# Allegro board STARRYSKY.brd
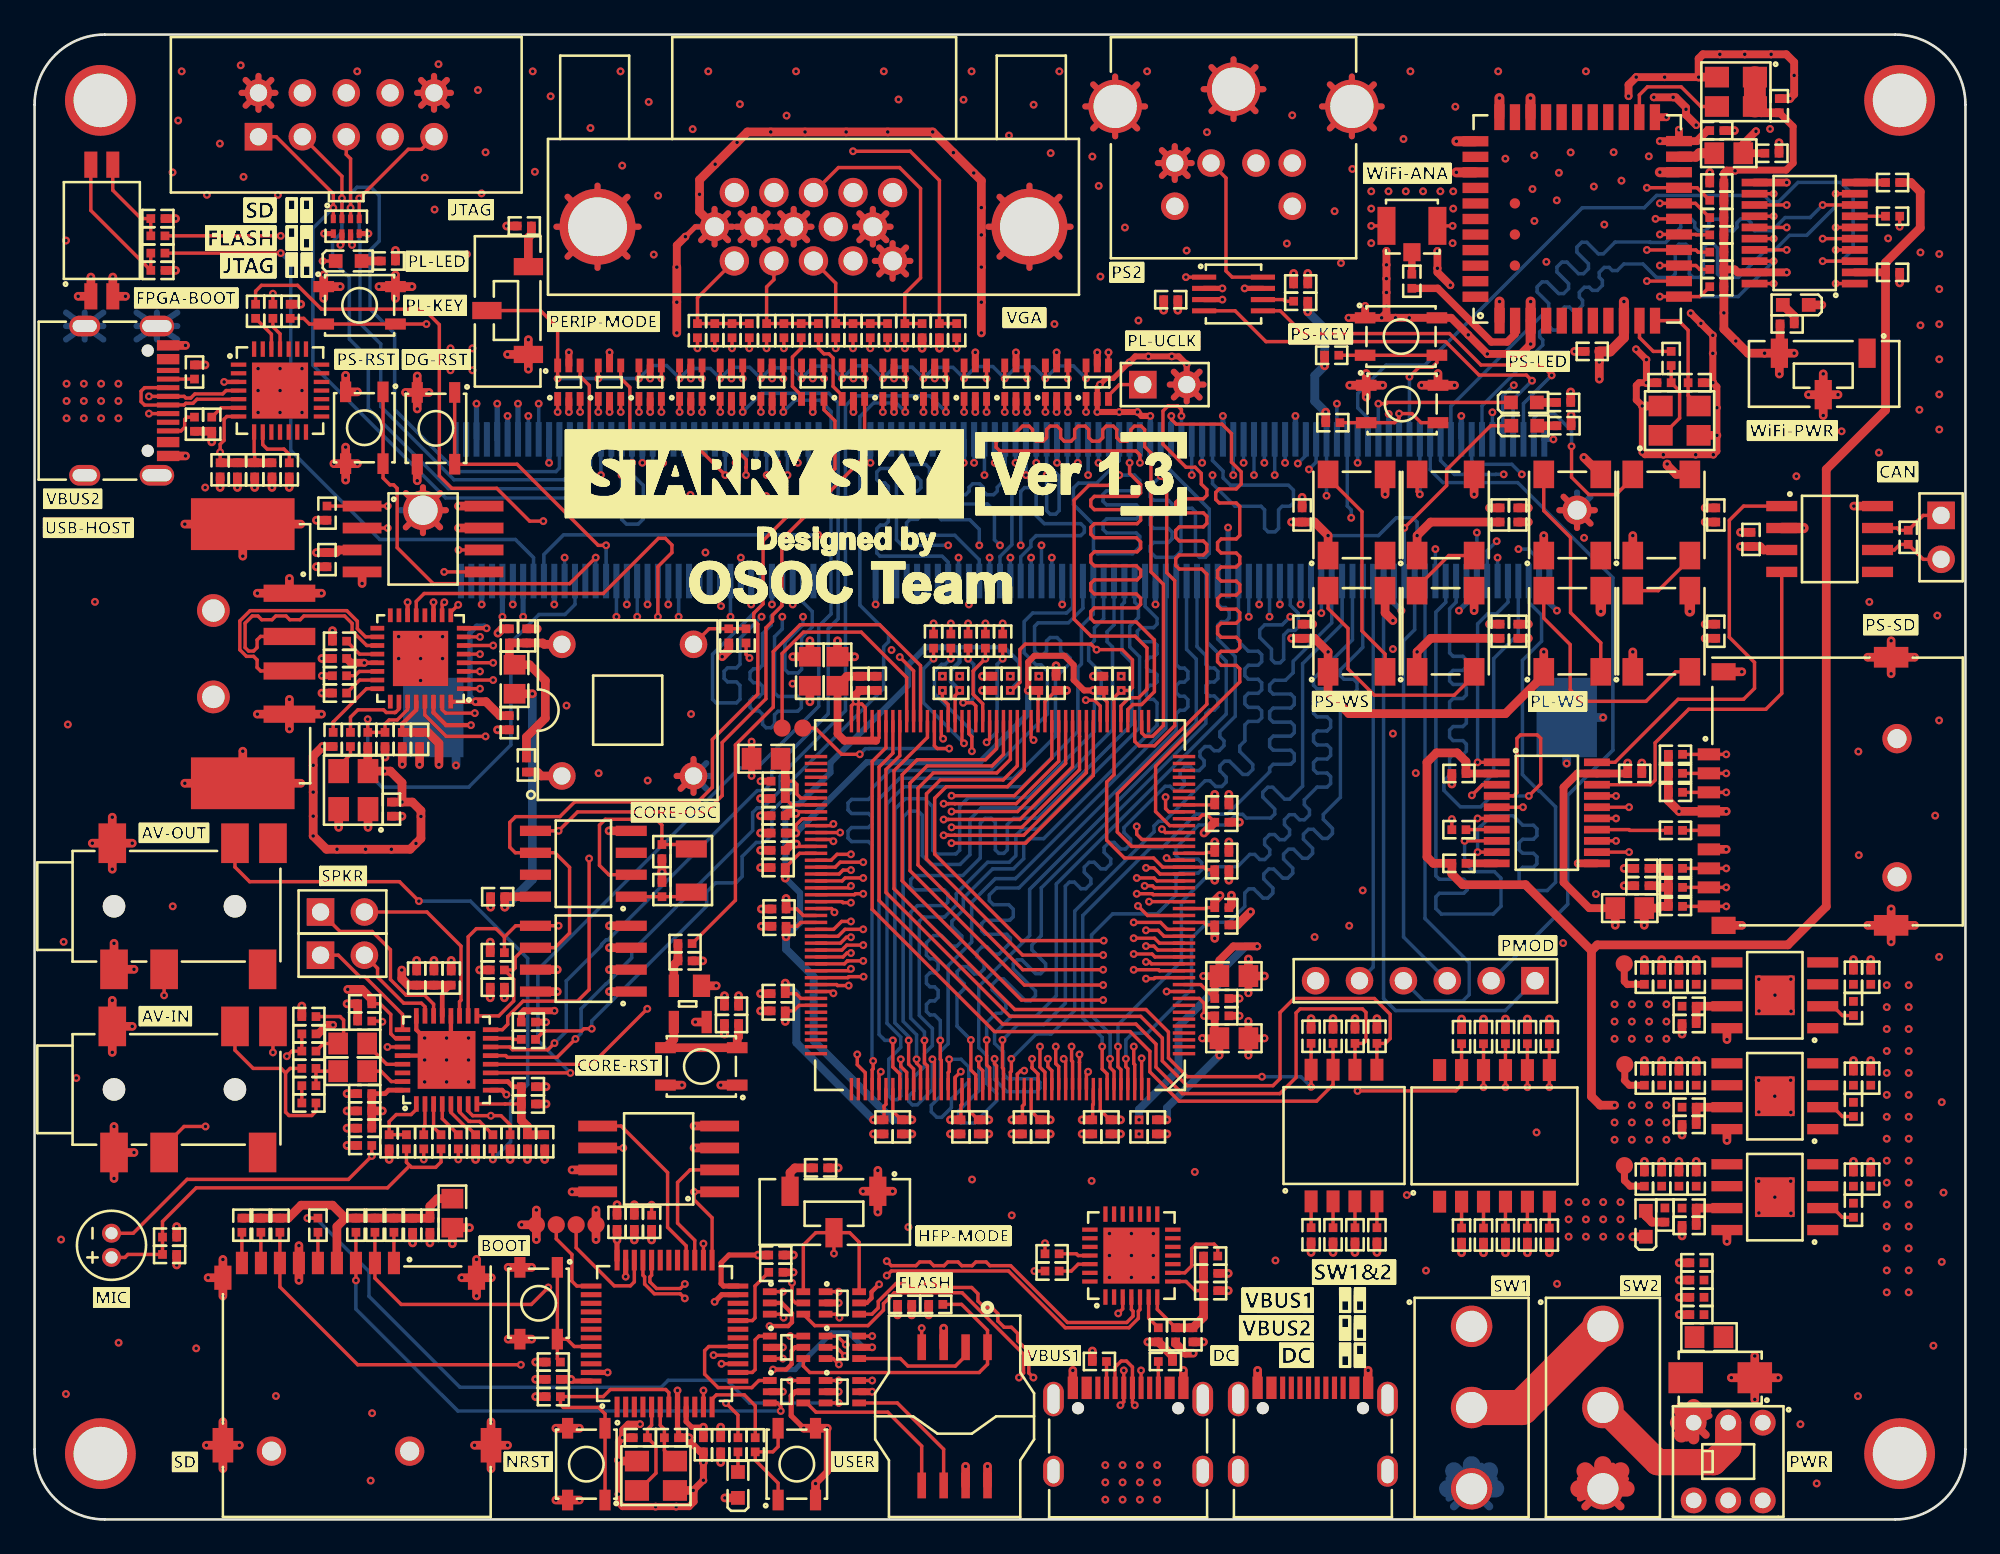
[diagram p0: board, top side]
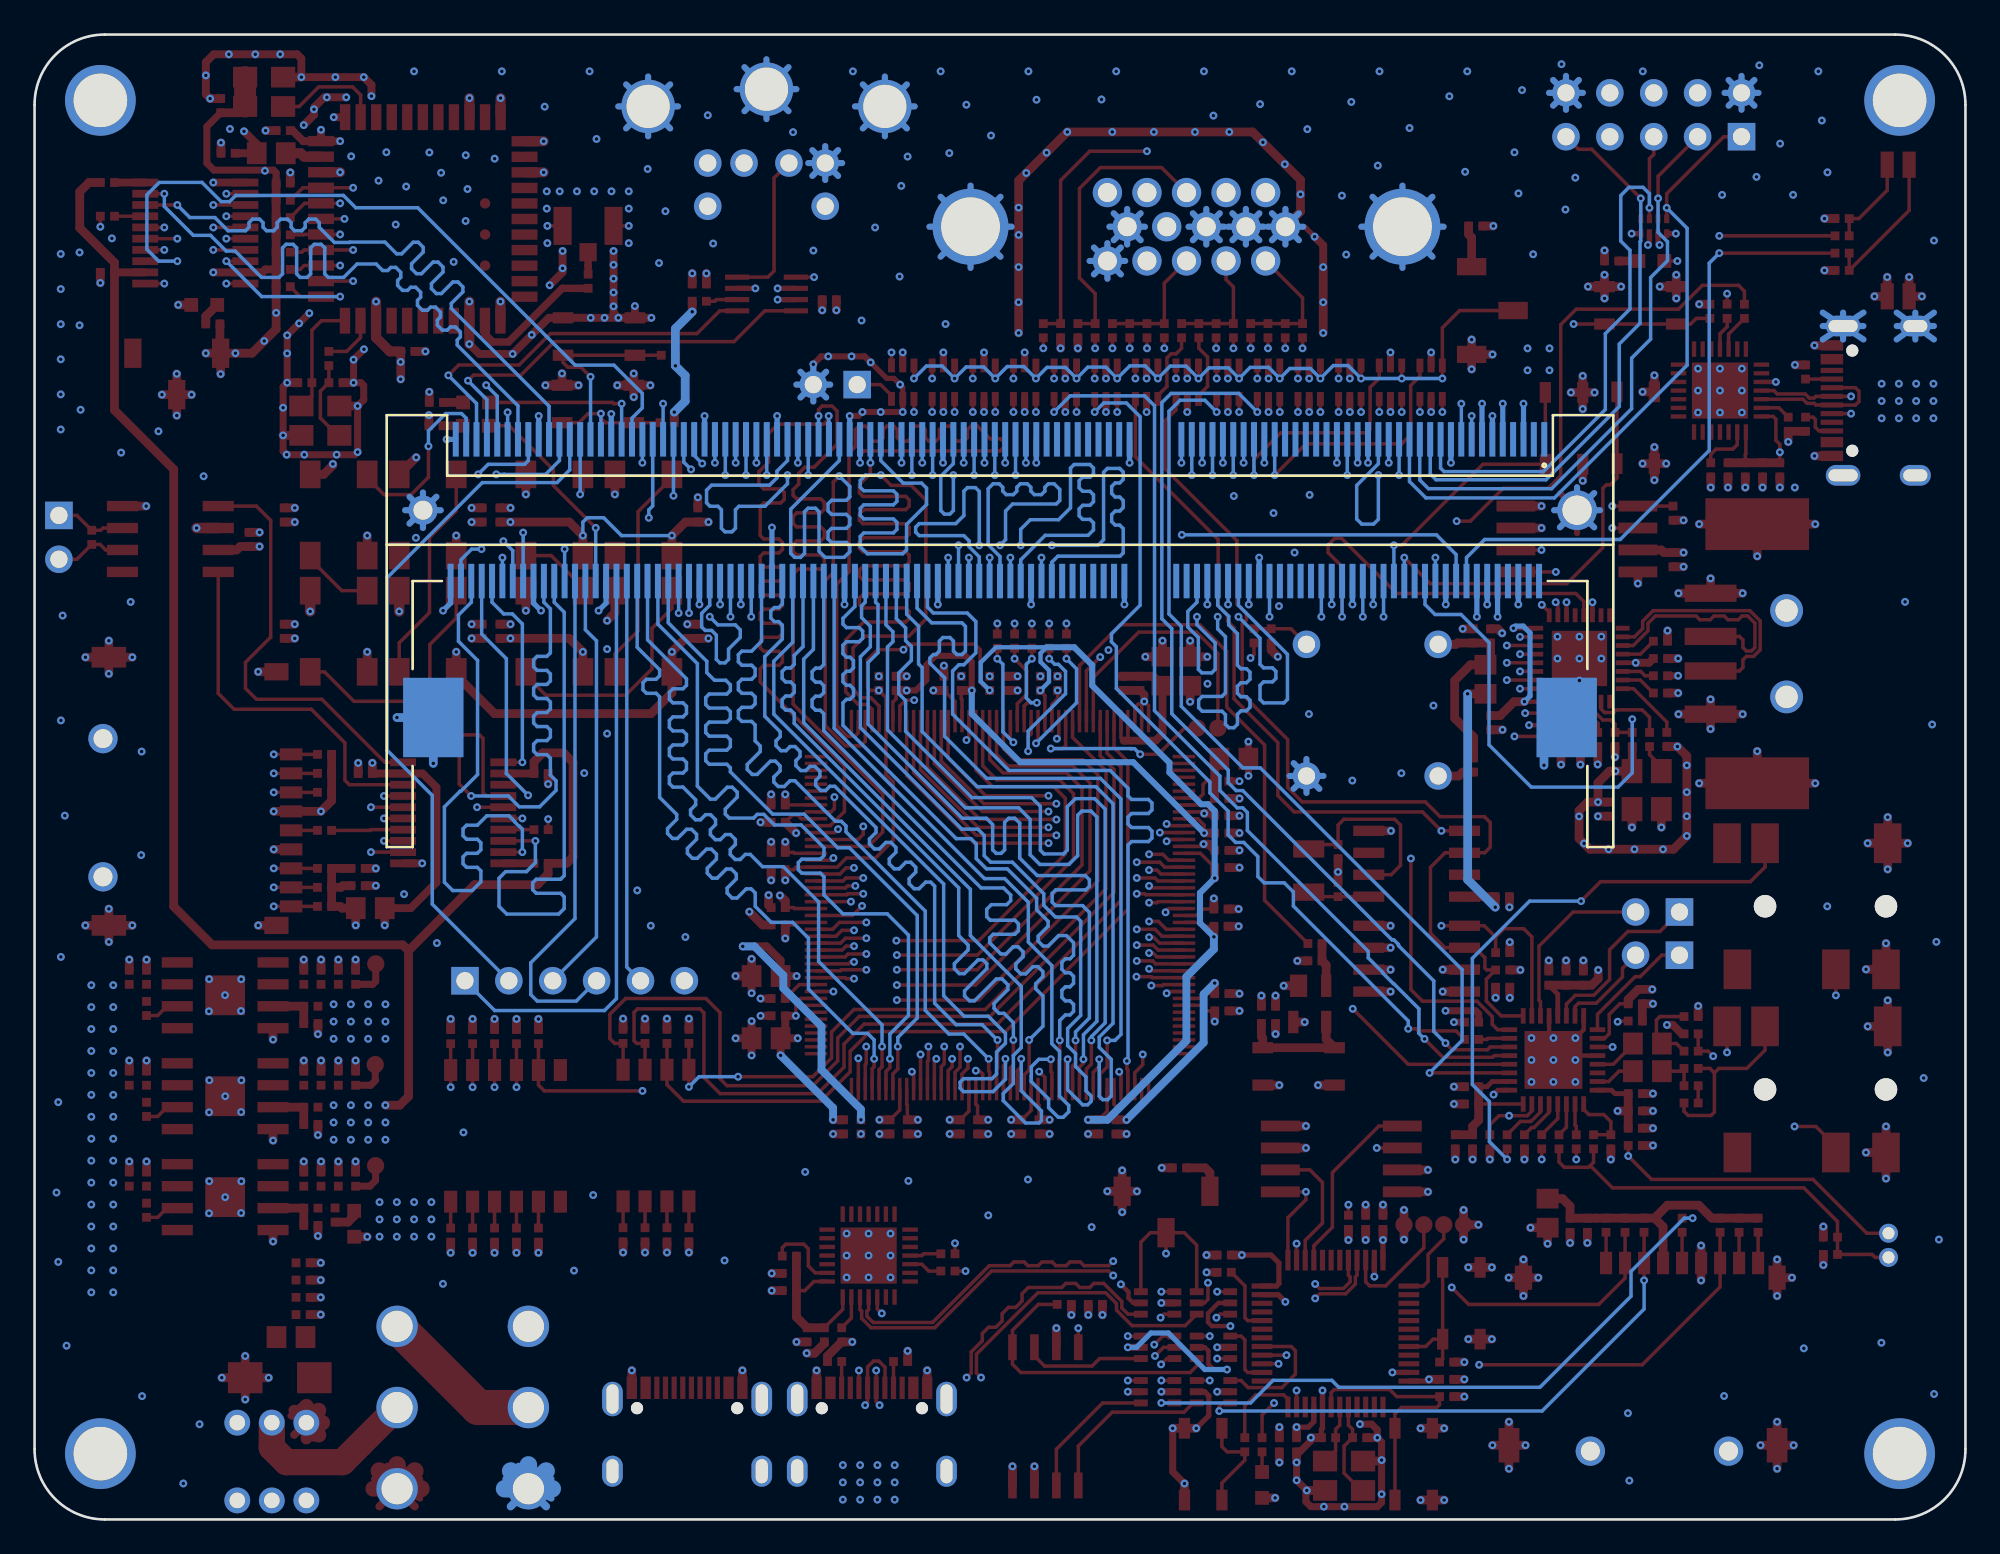
[diagram p1: board, bottom side, seen from below]

Outline 111.76 x 85.95 mm; copper layers: TOP, GND02, ART03, PWR04, GND05, BOTTOM. Coordinates in mm from the lower left corner of the outline.
Outline path: 0,81.89 0,4.06 arc(1.19,1.19) 4.06,0 107.7,0 arc(110.57,1.19) 111.76,4.06 111.76,81.89 arc(110.57,84.76) 107.7,85.95 4.06,85.95 arc(1.19,84.76) 0,81.89

## Design rules (mm)
net group HFP_USB_DIFF: nets HFP_USB_DN HFP_USB_DP
net group MAIN_DIFF: nets MAIN_DN MAIN_DP
net group PS_UART_DIFF: nets PS_UART_DN PS_UART_DP
net group PS_USB_DIFF: nets PS_USB_DN PS_USB_DP
net group YSYX_UART_DIFF: nets YSYX_UART_DN YSYX_UART_DP
net group CHIPLINK_MG: nets IO34_0 IO34_1_N IO34_1_P IO34_3_P IO34_4_N IO34_4_P IO34_5_N IO34_5_P IO34_9_N IO34_9_P IO34_10_N IO34_10_P IO34_11_N IO34_11_P IO34_12_N IO34_13_N IO34_13_P IO34_14_N IO34_14_P IO34_15_N IO34_15_P IO34_16_N IO34_16_P IO34_17_N IO34_17_P IO34_18_N IO34_18_P IO34_19_N IO34_19_P IO34_20_N IO34_20_P IO34_21_N IO34_21_P IO34_22_N IO34_22_P IO34_23_P IO34_24_N IO34_24_P IO34_25 IO35_3_N IO35_3_P IO35_5_N IO35_5_P IO35_6_N IO35_6_P IO35_7_N IO35_7_P IO35_9_N IO35_9_P IO35_10_N IO35_10_P IO35_11_N IO35_11_P IO35_12_N IO35_12_P IO35_14_N IO35_14_P IO35_17_N IO35_17_P IO35_19_N IO35_19_P IO35_20_N IO35_20_P IO35_21_N IO35_21_P IO35_22_N IO35_22_P IO35_23_N IO35_23_P IO35_24_N IO35_24_P
net group FPGA_JTAG_MG: nets FPGA_TCK FPGA_TDI FPGA_TDO FPGA_TMS
net group PL_AUDIO_MG: nets AUD_ADCDAT AUD_ADCLRC AUD_BCLK AUD_DACDAT AUD_DACLRC AUD_MCLK
net group PS_MIO_SD0_MG: nets PS_MIO40 PS_MIO41 PS_MIO42 PS_MIO43 PS_MIO44 PS_MIO45
net group PS_MIO_SD1_MG: nets PS_MIO46 PS_MIO47 PS_MIO48 PS_MIO49 PS_MIO50 PS_MIO51
net group PS_MIO_USB_MG: nets PS_MIO28 PS_MIO29 PS_MIO30 PS_MIO31 PS_MIO32 PS_MIO33 PS_MIO34 PS_MIO35 PS_MIO36 PS_MIO37 PS_MIO38 PS_MIO39
net group PS_SD_MG: nets PS_SD_CLK PS_SD_CMD PS_SD_D0 PS_SD_D1 PS_SD_D2 PS_SD_D3
net group PS_WF_MG: nets PS_WF_CLK PS_WF_CMD PS_WF_D0 PS_WF_D1 PS_WF_D2 PS_WF_D3 PS_WF_REG_ON PS_WF_WAKE

## Placement (name value [footprint] x y rotation side)
C1  0.1uF  [C0402]  93.18 19.7 90 top
C2  0.1uF  [C0402]  94.18 19.7 90 top
C3  10uF  [C0402]  96.18 19.7 90 top
C4  10uF  [C0402]  95.18 19.7 90 top
C5  1uF  [C0402]  105.28 19.7 90 top
C6  10uF  [C0402]  106.28 19.7 90 top
C7  15pF  [C0402]  40.18 51.15 270 top
C8  0.1uF  [C0402]  27.48 51.14 90 top
C9  0.1uF  [C0402]  28.48 51.14 90 top
C10  0.1uF  [C0402]  93.18 25.54 90 top
C11  10uF  [C0402]  96.18 25.54 90 top
C12  10uF  [C0402]  95.18 25.54 90 top
C13  10uF  [C0402]  106.28 25.54 90 top
C14  0.1uF  [C0402]  94.18 25.54 90 top
C15  1uF  [C0402]  105.28 25.54 90 top
C16  0.1uF  [C0402]  94.18 31.38 90 top
C17  0.1uF  [C0402]  93.18 31.38 90 top
C18  10uF  [C0402]  96.18 31.38 90 top
C19  1uF  [C0402]  105.28 31.38 90 top
C20  10uF  [C0402]  106.28 31.38 90 top
C21  10uF  [C0402]  95.18 31.38 90 top
C22  10uF  [C0402]  96.22 11.86 180 top
C23  10uF  [C0402]  96.22 12.86 180 top
C24  0.1uF  [C0402]  96.22 14.86 180 top
C25  0.1uF  [C0402]  96.22 13.86 180 top
C26  0.1uF  [C0402]  56.48 48.4 90 top
C27  0.1uF  [C0402]  62.89 48.4 90 top
C28  0.1uF  [C0402]  68.72 40.36 0 top
C29  0.1uF  [C0402]  64.93 22.72 270 top
C30  0.1uF  [C0402]  62.24 22.72 270 top
C31  0.1uF  [C0402]  53.54 48.4 90 top
C32  0.1uF  [C0402]  43.09 34.34 180 top
C33  0.1uF  [C0402]  50.17 22.72 270 top
C34  0.1uF  [C0402]  68.72 29.15 0 top
C35  0.1uF  [C0402]  54.62 22.72 270 top
C36  0.1uF  [C0402]  68.72 35.41 0 top
C37  0.1uF  [C0402]  59.12 48.4 90 top
C38  1uF  [C0402]  40.34 29.71 0 top
C39  0.1uF  [C0402]  43.04 40.73 180 top
C40  0.1uF  [C0402]  68.72 34.41 0 top
C41  0.1uF  [C0402]  57.18 22.72 270 top
C42  0.1uF  [C0402]  53.62 22.72 270 top
C43  0.1uF  [C0402]  43.04 39.73 180 top
C44  0.1uF  [C0402]  49.17 22.72 270 top
C45  0.1uF  [C0402]  68.72 38.61 0 top
C46  0.1uF  [C0402]  68.72 41.36 0 top
C47  0.1uF  [C0402]  43.04 38.73 180 top
C48  0.1uF  [C0402]  63.93 22.72 270 top
C49  0.1uF  [C0402]  43.04 30.44 180 top
C50  0.1uF  [C0402]  61.24 22.72 270 top
C51  0.1uF  [C0402]  43.04 29.44 180 top
C52  0.1uF  [C0402]  58.18 22.72 270 top
C53  0.1uF  [C0402]  68.72 37.61 0 top
C54  0.1uF  [C0402]  43.04 37.73 180 top
C55  0.1uF  [C0402]  55.48 48.4 90 top
C56  0.1uF  [C0402]  58.12 48.4 90 top
C57  0.1uF  [C0402]  61.89 48.4 90 top
C58  0.1uF  [C0402]  68.72 30.15 0 top
C59  0.1uF  [C0402]  52.54 48.4 90 top
C60  0.1uF  [C0402]  43.09 35.34 180 top
C61  0.1uF  [C0402]  43.04 42.73 180 top
C62  0.1uF  [C0402]  43.04 41.73 180 top
C63  0.1uF  [C0402]  47.78 48.4 270 top
C64  0.1uF  [C0402]  48.78 48.4 270 top
C65  0.1uF  [C0402]  67.05 10.69 270 top
C66  1uF  [C0402]  66.05 10.69 270 top
C67  0.1uF  [C0402]  65.05 10.69 270 top
C68  0.1uF  [C0402]  21.88 17.03 270 top
C69  10uF  [C0402]  22.88 17.03 270 top
C70  0.1uF  [C0402]  30.03 8.11 0 top
C71  0.1uF  [C0402]  30.03 7.11 180 top
C72  10pF  [C0402]  35.06 4.73 180 top
C73  0.1uF  [C0402]  33.71 17.2 270 top
C74  10pF  [C0402]  36.86 4.73 0 top
C75  0.1uF  [C0402]  39.71 4.32 90 top
C76  0.1uF  [C0402]  38.71 4.32 270 top
C77  0.1uF  [C0402]  50.36 12.45 0 top
C78  0.1uF  [C0402]  34.71 17.2 90 top
C79  0.1uF  [C0402]  42.9 15.31 180 top
C80  0.1uF  [C0402]  99.35 56.73 270 top
C81  0.1uF  [C0402]  93.03 37.69 180 top
C82  10uF  [C0402]  93.03 36.69 180 top
C83  0.1uF  [C0402]  82.44 43.18 0 top
C84  0.1uF  [C0402]  92.62 43.18 0 top
C85  0.1uF  [C0402]  12.74 60.76 270 top
C86  1uF  [C0402]  13.74 60.76 270 top
C87  0.1uF  [C0402]  19.28 45.15 90 top
C88  0.1uF  [C0402]  10.26 63.4 270 top
C89  0.1uF  [C0402]  20.66 41.12 90 top
C90  0.1uF  [C0402]  21.29 45.15 270 top
C91  0.1uF  [C0402]  22.29 45.15 270 top
C92  0.1uF  [C0402]  27.48 46.12 270 top
C93  10uF  [C0402]  17.65 50.84 180 top
C94  0.1uF  [C0402]  17.65 49.84 180 top
C95  0.1uF  [C0402]  107.54 72.19 180 top
C96  0.1uF  [C0402]  97.37 77.36 180 top
C97  10pF  [C0402]  79.72 71.67 270 top
C98  22pF  [C0402]  94.32 65.8 180 top
C99  10uF  [C0402]  90.16 67.61 180 top
C100  0.1uF  [C0402]  100.99 81.84 90 top
C101  22pF  [C0402]  96.12 65.8 0 top
C102  0.1uF  [C0402]  84.83 51.41 90 top
C103  0.1uF  [C0402]  84.83 58.14 90 top
C104  0.1uF  [C0402]  73.37 51.41 90 top
C105  0.1uF  [C0402]  73.37 58.14 90 top
C106  4.7uF  [C0402]  97.37 80.39 0 top
C107  10uF  [C0402]  100.56 79.08 0 top
C108  0.1uF  [C0402]  26.78 30.81 180 top
C109  0.1uF  [C0402]  65.76 70.61 0 top
C110  0.1uF  [C0402]  73.28 71.52 0 top
C111  15pF  [C0402]  36.32 36.46 90 top
C112  0.1uF  [C0402]  26.81 36.05 180 top
C113  15pF  [C0402]  36.31 38.66 270 top
C114  0.1uF  [C0402]  16.93 55.56 270 top
C115  100pF  [C0402]  52.37 68.81 270 top
C116  47pF  [C0402]  51.37 68.81 270 top
C117  0.1uF  [C0402]  97.31 51.41 90 top
C118  0.1uF  [C0402]  85.85 51.41 90 top
C119  0.1uF  [C0402]  97.31 58.14 90 top
C120  0.1uF  [C0402]  85.85 58.14 90 top
C121  10uF  [C0402]  19.11 24.65 180 top
C122  0.1uF  [C0402]  19.11 23.65 180 top
C123  10uF  [C0402]  19.11 28.85 0 top
C124  10uF  [C0402]  20.52 21.86 90 top
C125  220pF  [C0402]  7.82 16.34 180 top
C126  10uF  [C0402]  28.59 24.05 0 top
C127  0.1uF  [C0402]  28.53 21.86 270 top
C128  0.1uF  [C0402]  28.59 25.05 0 top
C129  1uF  [C0402]  23.53 21.86 270 top
C130  1uF  [C0402]  24.53 21.86 270 top
C131  1uF  [C0402]  26.53 21.86 270 top
C132  10uF  [C0402]  23.12 31.34 270 top
C133  10uF  [C0402]  19.11 29.85 0 top
C134  0.1uF  [C0402]  22.12 31.34 270 top
C135  1uF  [C0402]  25.53 21.86 270 top
C136  1uF  [C0402]  22.53 21.86 270 top
C137  100uF  [C0805]  18.41 25.95 180 top
C138  100uF  [C0805]  18.41 27.55 180 top
C139  220pF  [C0402]  15.88 24.11 0 top
C140  220pF  [C0402]  15.88 28.11 180 top
D1  SMAJ5.0CA  [SMA-2R00X1R80]  97.57 8.2 180 top
F1  0805_2A  [L0805]  96.92 10.56 0 top
H1  FIXING-HOLE  [HOLE-3R10-4R10]  107.95 82.14 0 top
H2  FIXING-HOLE  [HOLE-3R10-4R10]  3.81 82.14 0 top
H3  FIXING-HOLE  [HOLE-3R10-4R10]  3.81 3.81 0 top
H4  FIXING-HOLE  [HOLE-3R10-4R10]  107.95 3.81 0 top
J1  USB_PWR  [USB-TYPEC-12-SM]  63.3 5.2 0 top
J2  DIP-OSC  [DIP8-4-7R62X7R62]  34.33 46.85 90 top
J3  DC_PWR  [USB-TYPEC-12-SM]  73.99 5.21 0 top
J4  SD_MICRO  [SD-MICRO-9-SM]  20.8 14.84 0 top
J5  ACA-SPI-004-K02  [ACA-SPI-004-K02-SM]  53.25 5.97 0 top
J6  SD_MICRO  [SD-MICRO-9-SM]  96.91 44.29 90 top
J7  CAN  [HDR2X1-2R54-TM-VM]  110.35 58.12 270 top
J8  PS_PWR  [USB-TYPEC-12-SM]  5.32 64.76 270 top
J9  JTAG  [HDR5X2-2R54-TM-VF]  18.04 81.31 0 top
J10  USB_HOST  [USB-STD-TYPEA-4-SM]  14.75 50.11 270 top
J11  RF-IPEX-3PIN  [IPEX-3-2R95-SM-VF]  79.72 74.88 0 top
J12  PMOD  [HDR6X1-2R54-TM-VM]  86.85 31.18 180 top
J13  PS2_PURPLE  [PS2-6-TM-VF]  69.4 79.4 180 top
J14  VGA  [DE-15-TM-RF]  45.09 74.83 180 top
J15  PL_UCLK  [HDR2X1-2R54-TM-VM]  64.15 65.69 0 top
J16  PJ-342  [AV-6-2R30X1R60-SM]  9.15 35.49 90 top
J17  LSPKR  [HDR2X1-2R54-TM-VM]  16.55 32.66 0 top
J18  PJ-342  [AV-6-2R30X1R60-SM]  9.15 24.89 90 top
J19  RSPKR  [HDR2X1-2R54-TM-VM]  16.55 35.16 0 top
J20  SODIMM-204  [SODIMM-204-2R00X0R35]  55.88 58.42 270 bottom
L1  600HM 100MHz 1.5A  [L0805]  27.78 48.63 270 top
L2  600HM 100MHz 1.5A  [L0805]  69.42 27.85 180 top
L3  600HM 100MHz 1.5A  [L0805]  69.42 31.45 180 top
L4  600HM 100MHz 1.5A  [L0805]  42.34 44.03 180 top
L5  600HM 100MHz 1.5A  [L0805]  44.88 49.1 90 top
L6  600HM 100MHz 1.5A  [L0805]  46.48 49.1 90 top
L7  600HM 100MHz 1.5A  [L0805]  24.18 17.73 270 top
L8  600HM 100MHz 1.5A  [L0805]  92.33 35.39 180 top
L9  4.7uH  [L0805]  98.06 79.08 0 top
LED1  RED  [LED0603]  93.26 17.11 90 top
LED2  BLUE  [LED0603]  40.71 2 90 top
LED3  BLUE  [LED0603]  86.23 63.31 0 top
LED4  BLUE  [LED0603]  86.2 64.66 0 top
LED5  RED  [LED0603]  101.94 70.3 180 top
LED6  WS2812C  [LED5050]  81.67 58.14 90 top
LED7  WS2812C  [LED5050]  81.67 51.41 90 top
LED8  WS2812C  [LED5050]  76.52 58.14 90 top
LED9  WS2812C  [LED5050]  76.52 51.41 90 top
LED10  BLUE  [LED0603]  18.18 72.84 0 top
LED11  WS2812C  [LED5050]  94.16 51.41 90 top
LED12  WS2812C  [LED5050]  94.16 58.14 90 top
LED13  WS2812C  [LED5050]  89 58.14 90 top
LED14  WS2812C  [LED5050]  89 51.41 90 top
MIC1  MIC  [MIC-2-TM]  4.45 15.87 90 top
R1  56K  [R0402]  95.77 18.02 0 top
R2  2K  [R0402]  94.36 17.62 90 top
R3  5.1K  [R0402]  61.64 9.14 0 top
R4  1K  [R0402]  105.28 17.9 270 top
R5  5.1K  [R0402]  65.46 9.14 0 top
R6  33R  [R0402]  41.18 51.15 270 top
R7  10K  [R0402]  95.77 17.02 180 top
R8  4.7K  [R0402]  28.47 43.67 90 top
R9  26K  [R0402]  95.77 23.86 0 top
R10  10K  [R0402]  95.77 22.86 180 top
R11  1K  [R0402]  105.28 23.74 270 top
R12  14K  [R0402]  95.77 29.7 0 top
R13  1K  [R0402]  105.28 29.58 270 top
R14  10K  [R0402]  95.77 28.7 180 top
R15  33R  [R0402]  73.89 16.48 90 top
R16  5K  [R0402]  73.89 27.97 90 top
R17  5K  [R0402]  75.16 27.97 90 top
R18  10K  [R0402]  37.65 32.33 180 top
R19  33R  [R0402]  75.16 16.48 90 top
R20  33R  [R0402]  76.43 16.48 90 top
R21  5K  [R0402]  76.43 27.97 90 top
R22  33R  [R0402]  77.7 16.48 90 top
R23  5K  [R0402]  77.7 27.97 90 top
R24  0R  [R0402]  37.65 33.33 180 top
R25  10K  [R0402]  40.34 28.71 0 top
R26  0R  [R0402]  56.04 50.84 90 top
R27  0R  [R0402]  55.03 50.84 90 top
R28  0R  [R0402]  54.03 50.84 90 top
R29  0R  [R0402]  53.03 50.84 90 top
R30  0R  [R0402]  52.03 50.84 90 top
R31  33R  [R0402]  82.6 16.46 90 top
R32  33R  [R0402]  83.87 16.46 90 top
R33  5K  [R0402]  82.6 27.95 90 top
R34  5K  [R0402]  83.87 27.95 90 top
R35  33R  [R0402]  85.14 16.46 90 top
R36  5K  [R0402]  85.14 27.95 90 top
R37  33R  [R0402]  86.41 16.46 90 top
R38  5K  [R0402]  86.41 27.95 90 top
R39  33R  [R0402]  87.68 16.46 90 top
R40  5K  [R0402]  87.68 27.95 90 top
R41  2K  [R0402]  45.5 20.35 180 top
R42  0R  [R0402]  68.07 14.24 180 top
R43  0R  [R0402]  68.07 13.24 180 top
R44  4.7K  [R0402]  20.8 17.03 270 top
R45  4.7K  [R0402]  19.7 17.03 270 top
R46  4.7K  [R0402]  18.6 17.03 270 top
R47  33R  [R0402]  16.4 17.03 270 top
R48  4.7K  [R0402]  14.2 17.03 270 top
R49  0R  [R0402]  58.9 14.38 180 top
R50  0R  [R0402]  58.9 15.38 180 top
R51  4.7K  [R0402]  13.1 17.03 270 top
R52  4.7K  [R0402]  12 17.03 270 top
R53  4.7K  [R0402]  68.07 15.25 0 top
R54  10K  [R0402]  30.03 9.11 180 top
R55  330R  [R0402]  41.71 4.32 270 top
R56  10K  [R0402]  52.16 12.45 0 top
R57  10K  [R0402]  35.71 17.2 90 top
R58  2K  [R0402]  40.71 4.32 90 top
R59  10K  [R0402]  42.9 14.3 0 top
R60  10K  [R0402]  7.14 75.3 0 top
R61  4.7K  [R0402]  94.98 43.19 0 top
R62  4.7K  [R0402]  94.98 42.09 0 top
R63  4.7K  [R0402]  94.98 44.29 0 top
R64  10K  [R0402]  7.14 72.3 0 top
R65  120R  [R0402]  108.45 56.85 90 top
R66  33R  [R0402]  94.98 39.89 0 top
R67  4.7K  [R0402]  94.98 37.69 0 top
R68  20K  [R0402]  7.14 73.3 0 top
R69  4.7K  [R0402]  94.98 36.59 0 top
R70  20K  [R0402]  7.14 74.3 0 top
R71  4.7K  [R0402]  94.98 35.49 0 top
R72  4.7K  [R0402]  82.44 37.98 0 top
R73  5.1K  [R0402]  9.26 66.42 270 top
R74  5.1K  [R0402]  9.26 63.4 270 top
R75  22R  [R0402]  82.44 39.93 0 top
R76  0R  [R0402]  11.74 60.76 90 top
R77  0R  [R0402]  10.74 60.76 90 top
R78  0R  [R0402]  13.8 69.93 90 top
R79  10K  [R0402]  20.29 45.15 90 top
R80  0R  [R0402]  12.79 69.93 90 top
R81  22R  [R0402]  18.28 45.15 90 top
R82  1K  [R0402]  17.65 48.84 180 top
R83  4.7K  [R0402]  17.65 47.84 180 top
R84  4.7K  [R0402]  14.74 60.76 90 top
R85  2K  [R0402]  88.53 63.31 180 top
R86  2K  [R0402]  88.5 64.66 180 top
R87  8.06K  [R0402]  17.28 45.15 90 top
R88  10K  [R0402]  75.14 63.49 180 top
R89  10K  [R0402]  75.08 67.39 180 top
R90  2K  [R0402]  101.44 69.2 180 top
R91  4.7K  [R0402]  107.54 77.39 180 top
R92  10K  [R0402]  97.37 71.36 0 top
R93  10K  [R0402]  97.37 72.36 0 top
R94  10K  [R0402]  97.37 73.36 0 top
R95  10K  [R0402]  97.37 74.36 0 top
R96  22R  [R0402]  107.54 75.44 180 top
R97  10K  [R0402]  97.37 75.36 0 top
R98  10K  [R0402]  97.37 76.36 0 top
R99  100R  [R0402]  94.73 67.2 90 top
R100  4.7K  [R0402]  73.28 70.52 180 top
R101  2K  [R0402]  20.48 72.84 180 top
R102  4.7K  [R0402]  26.78 31.81 180 top
R103  4.7K  [R0402]  26.78 32.81 180 top
R104  10K  [R0402]  14.8 69.93 90 top
R105  10K  [R0402]  16.93 58.25 90 top
R106  4K  [R0402]  46.37 68.81 90 top
R107  100R  [R0402]  53.37 68.81 270 top
R108  2K  [R0402]  47.37 68.81 90 top
R109  1K  [R0402]  48.37 68.81 90 top
R110  100R  [R0402]  50.37 68.81 270 top
R111  510R  [R0402]  49.37 68.81 90 top
R112  4K  [R0402]  42.37 68.81 90 top
R113  2K  [R0402]  43.37 68.81 90 top
R114  1K  [R0402]  44.37 68.81 90 top
R115  510R  [R0402]  45.37 68.81 90 top
R116  4K  [R0402]  38.37 68.81 90 top
R117  2K  [R0402]  39.37 68.81 90 top
R118  1K  [R0402]  40.37 68.81 90 top
R119  510R  [R0402]  41.37 68.81 90 top
R120  2K  [R0402]  28.35 74.87 0 top
R121  33R  [R0402]  19.11 22.65 180 top
R122  47K  [R0402]  7.82 15.34 180 top
R123  33R  [R0402]  29.53 21.86 90 top
R124  680R  [R0402]  21.53 21.86 270 top
R125  0R  [R0402]  19.11 21.65 180 top
R126  0R  [R0402]  28.59 27.79 180 top
R127  10R  [R0402]  24.12 31.34 270 top
R128  47K  [R0402]  27.53 21.86 270 top
R129  10K  [R0402]  15.88 25.11 180 top
R130  0R  [R0402]  15.88 26.11 180 top
R131  0R  [R0402]  28.59 28.79 180 top
R132  0R  [R0402]  15.88 27.11 180 top
R133  10K  [R0402]  15.88 29.11 180 top
RN1  10K  [RA-4-0402]  18.04 74.86 0 top
SW1  PWR-SEL1  [SW-3-12R7X6R6]  83.18 6.48 0 top
SW2  PWR-SEL2  [SW-3-12R7X6R6]  90.78 6.48 0 top
SW3  PWR-LOCK  [SW-6-LOCK-DPDT-TM]  98.03 3.35 180 top
SW4  PLL-SEL  [DIP-SW-4-1R27X0R76-SM]  75.79 22.22 0 top
SW5  CORE-SEL  [DIP-SW-6-1R27X0R76-SM]  84.5 22.2 0 top
SW6  YSYX-RESET  [SW-4-1R20X0R65-SM]  38.59 26.22 180 top
SW7  HFP-SW  [SW-3-1R70X1R00-J-SM]  46.27 17.8 180 top
SW8  HFP-RESET  [SW-4-1R20X0R65-SM]  31.94 3.2 270 top
SW9  HFP-BOOT  [SW-4-1R20X0R65-SM]  29.18 12.51 270 top
SW10  HFP-USER  [SW-4-1R20X0R65-SM]  44.12 3.2 90 top
SW11  PS-EXT-RESET  [SW-4-1R20X0R65-SM]  23.23 63.16 270 top
SW12  FPGA-BOOT  [DIP-SW-2-1R52X0R76-SM]  3.89 74.61 0 top
SW13  PS-PWR-RESET  [SW-4-1R20X0R65-SM]  19.09 63.19 270 top
SW14  PS-KEY1  [SW-4-1R20X0R65-SM]  79.16 64.57 0 top
SW15  PS-KEY2  [SW-4-1R20X0R65-SM]  79.09 68.47 0 top
SW16  WIFI-PWR  [SW-3-1R70X1R00-J-SM]  103.53 66.31 180 top
SW17  PL-KEY  [SW-4-1R20X0R65-SM]  18.81 70.28 0 top
SW18  PERIP-SW  [SW-3-1R70X1R00-J-SM]  27.38 69.98 90 top
TP1  VCC_3V3  [TP1X1-1R00-SM]  92.02 20.48 0 top
TP2  VCC_1V8  [TP1X1-1R00-SM]  92.04 26.33 0 top
TP3  VCC_1V2  [TP1X1-1R00-SM]  92.01 32.16 0 top
TP4  CLK4DIV  [TP1X1-1R00-SM]  44.47 45.81 0 top
TP5  OSC_OUT  [TP1X1-1R00-SM]  43.27 45.81 0 top
TP6  HFP_VCC_3V3  [TP1X1-1R00-SM]  32.5 17.06 0 top
TP7  HFP_SWDIO  [TP1X1-1R00-SM]  31.35 17.06 0 top
TP8  HFP_SWCLK  [TP1X1-1R00-SM]  30.2 17.06 0 top
TP9  HFP_GND  [TP1X1-1R00-SM]  29.05 17.06 0 top
U1  RT2515H  [SOIC-8-1R80X0R60-THRM]  100.73 18.66 90 top
U2  RT2515H  [SOIC-8-1R80X0R60-THRM]  100.73 24.5 90 top
U3  SOC-110NM-202201  [LQFP-176-1R30X0R20]  55.88 35.56 90 top
U4  RT2515H  [SOIC-8-1R80X0R60-THRM]  100.73 30.34 90 top
U5  MAX811SEUS  [SOT-143-4-1R30X0R60]  37.8 29.84 180 top
U6  WAS3157B  [SOT-363-6-0R80X0R40]  46.76 12.53 270 top
U7  WAS3157B  [SOT-363-6-0R80X0R40]  43.52 12.53 270 top
U8  CP2102  [QFN-28-0R90X0R25]  63.48 15.28 90 top
U9  WAS3157B  [SOT-363-6-0R80X0R40]  43.52 9.96 270 top
U10  WAS3157B  [SOT-363-6-0R80X0R40]  46.76 7.39 270 top
U11  WAS3157B  [SOT-363-6-0R80X0R40]  43.52 7.39 270 top
U12  WAS3157B  [SOT-363-6-0R80X0R40]  46.76 9.96 270 top
U13  STM/CH32V103C8T6  [LQFP-48-1R20X0R30]  36.46 10.76 0 top
U14  W25Q128JVSIQ  [SOIC-8-2R25X0R63]  36.12 20.87 90 top
U15  TJA1050  [SOIC-8-1R80X0R60]  103.9 56.75 270 top
U16  TXS0108E  [TSSOP-20-1R50X0R45]  87.53 40.9 0 top
U17  CP2102  [QFN-28-0R90X0R25]  14.21 65.35 0 top
U18  USB3320C  [QFN-32-0R80X0R28]  22.34 49.84 180 top
U19  TXS0108E  [TSSOP-20-1R50X0R45]  102.46 74.46 180 top
U20  AP6212  [QFN-44-1R50X0R60-TP]  89.29 75.28 90 top
U21  AT24C64  [SOIC-8-1R80X0R60]  31.77 32.46 90 top
U22  TXS0102  [SOIC-8-1R40X0R30]  69.4 70.94 0 top
U23  PCF8563B  [SOIC-8-1R80X0R60]  31.77 37.95 90 top
U24  W25Q128JVSIQ  [SOIC-8-2R25X0R63]  22.49 56.75 270 top
U25  WAS3157B  [SOT-363-6-0R80X0R40]  49.75 65.83 0 top
U26  WAS3157B  [SOT-363-6-0R80X0R40]  52.1 65.83 0 top
U27  WAS3157B  [SOT-363-6-0R80X0R40]  54.45 65.83 0 top
U28  WAS3157B  [SOT-363-6-0R80X0R40]  56.8 65.83 0 top
U29  WM8960CGEFL/RV  [QFN-32-0R90X0R28]  23.85 26.6 90 top
U30  WAS3157B  [SOT-363-6-0R80X0R40]  40.34 65.83 0 top
U31  WAS3157B  [SOT-363-6-0R80X0R40]  42.69 65.83 0 top
U32  WAS3157B  [SOT-363-6-0R80X0R40]  45.04 65.83 0 top
U33  WAS3157B  [SOT-363-6-0R80X0R40]  47.39 65.83 0 top
U34  WAS3157B  [SOT-363-6-0R80X0R40]  30.93 65.83 0 top
U35  WAS3157B  [SOT-363-6-0R80X0R40]  33.28 65.83 0 top
U36  WAS3157B  [SOT-363-6-0R80X0R40]  35.63 65.83 0 top
U37  WAS3157B  [SOT-363-6-0R80X0R40]  37.98 65.83 0 top
U38  WAS3157B  [SOT-363-6-0R80X0R40]  61.51 65.83 0 top
U39  WAS3157B  [SOT-363-6-0R80X0R40]  59.16 65.83 0 top
X1  8MHz 10pF 10PPM  [XTAL-4-3R20X2R50-SM]  35.97 2.53 0 top
X2  24MHz  [XTAL-4-3R20X2R50-SM]  18.45 42.22 90 top
X3  32.768KHz  [XTAL-4-3R20X2R50-SM]  98.47 82.64 180 top
X4  26MHz 16pF 10PPM  [XTAL-4-3R20X2R50-SM]  95.22 63.6 0 top
X5  32.768KHz 12.5pF 20PPM  [XTAL-2-3R20X1R50-SM]  38.01 37.56 90 top
